# Altium PCB record1.PcbDoc (part 1 of 2)
Units mil, origin at the board's own origin, x right, y up, seen from the top; angles counter-clockwise.
Board outline 17007.87 x 11459.7 mil, 3 copper layers (Top Layer, GND, Bottom Layer), stack 19.217 mil thick; 488 components, 1 nets, 1152 pads, 320 vias.
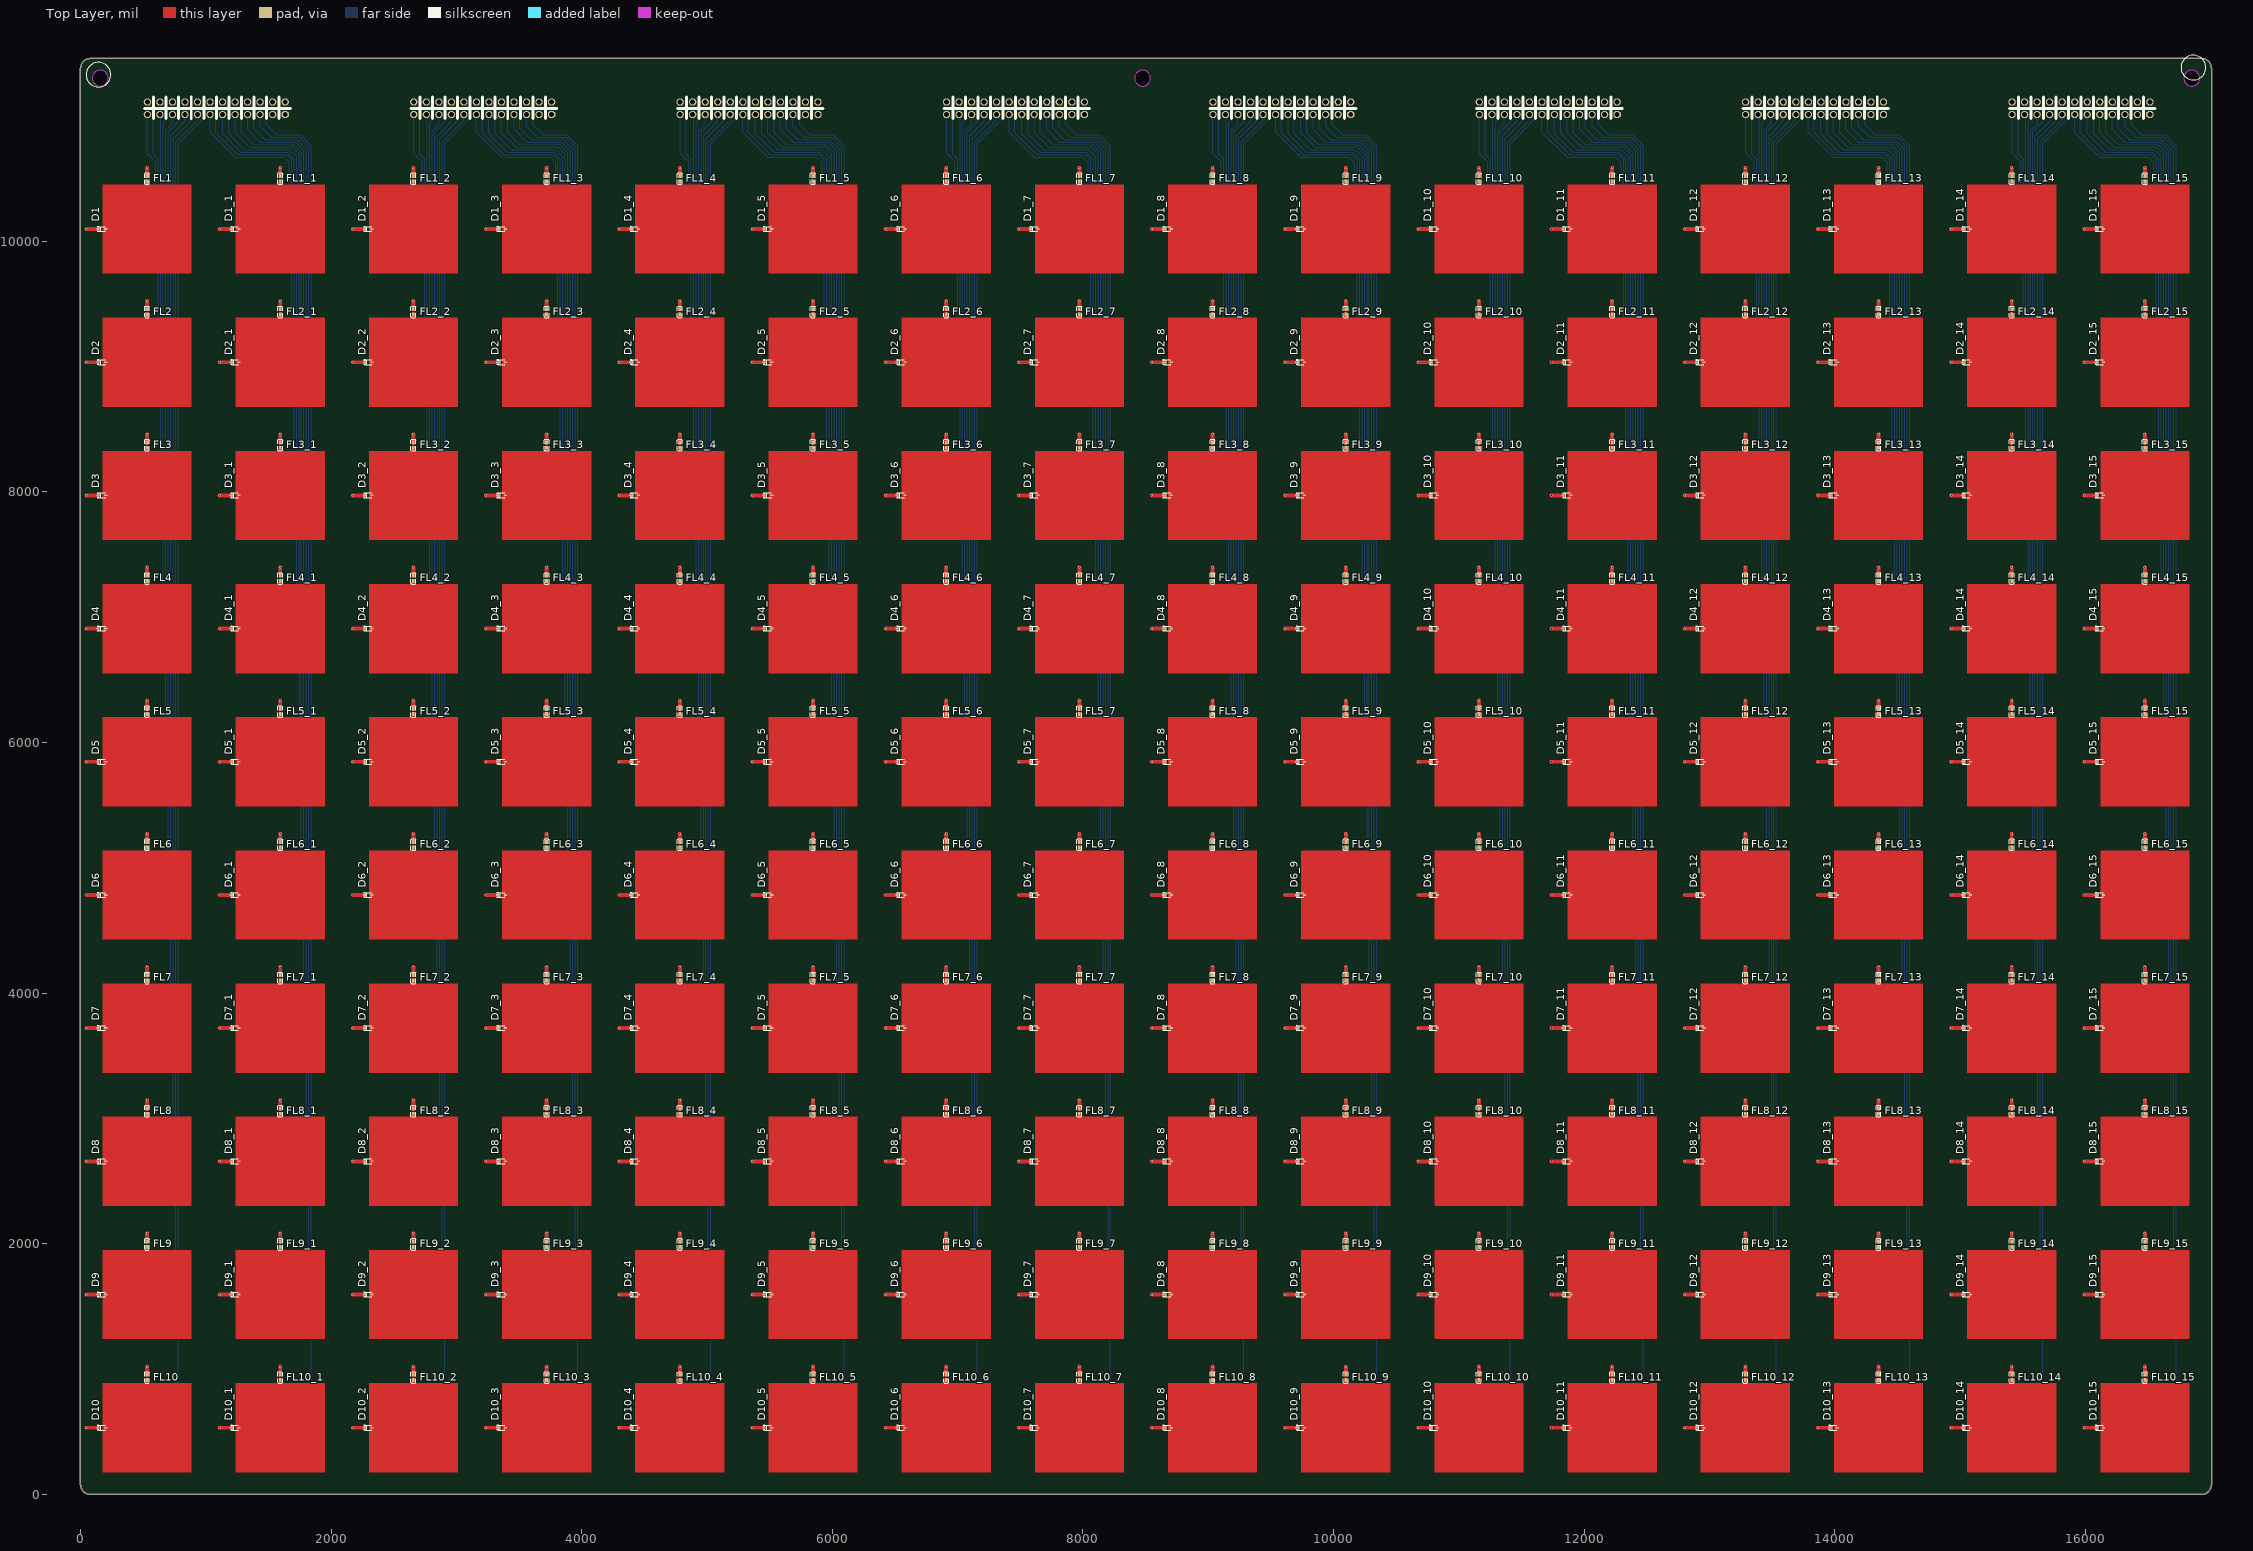
[diagram p0: Top Layer view]
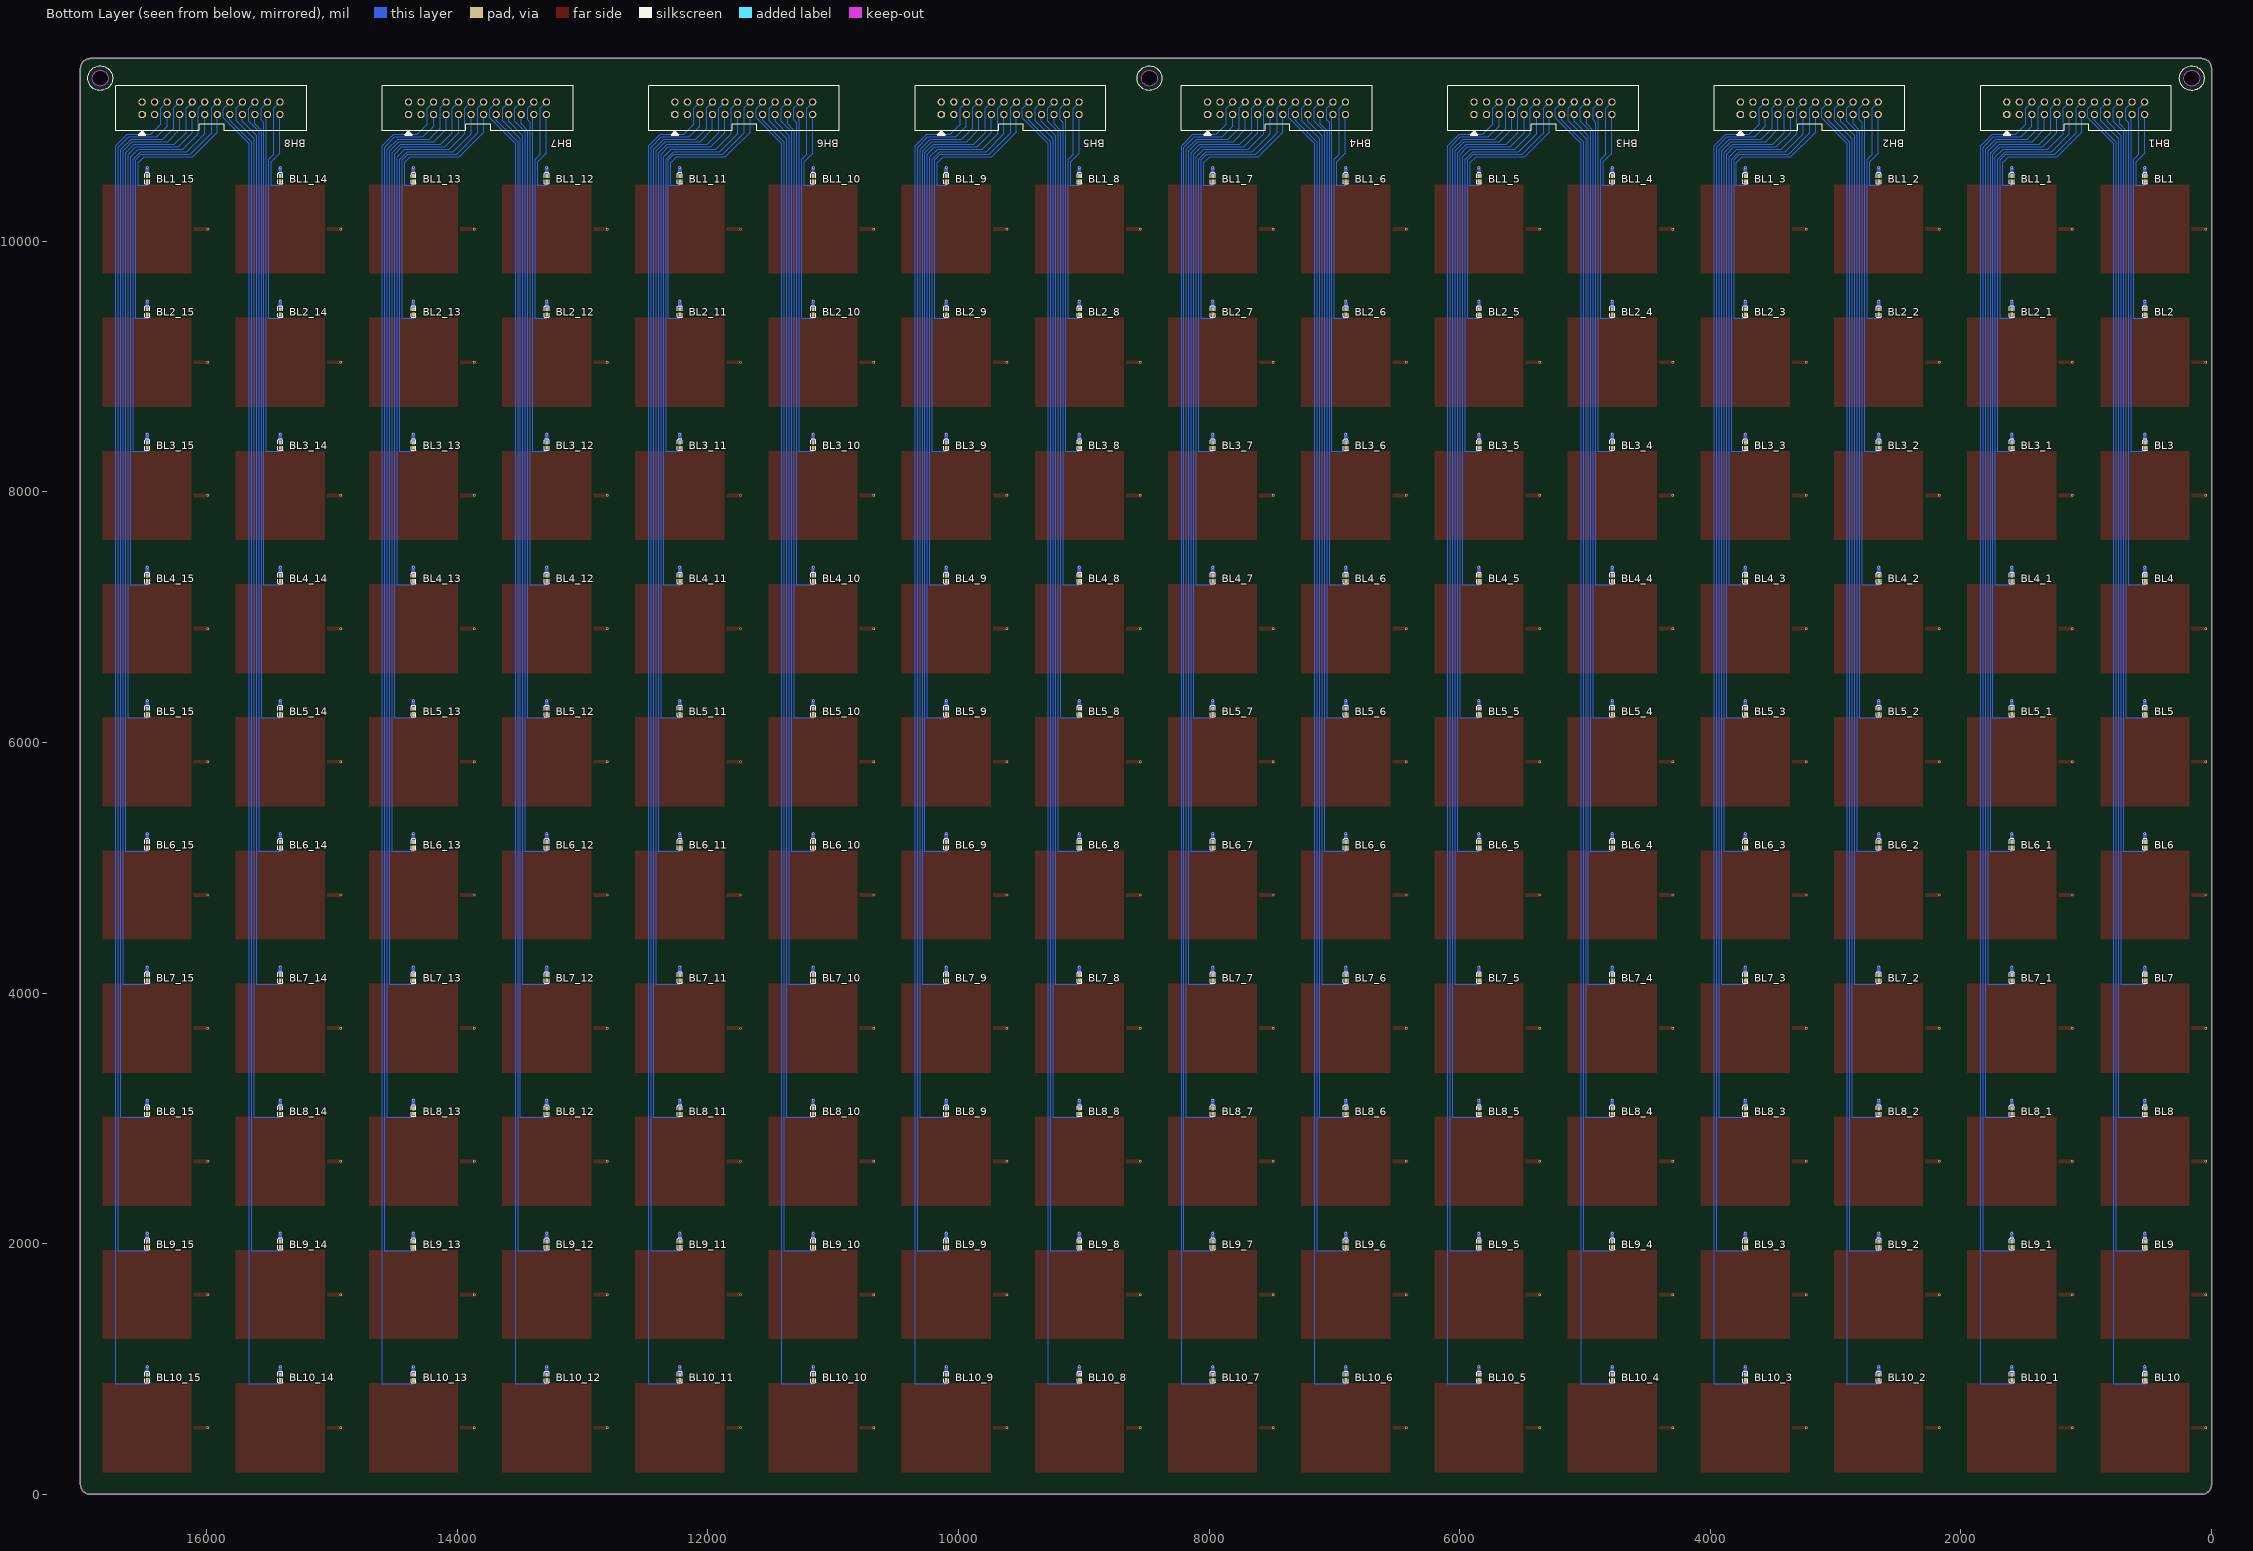
[diagram p1: Bottom Layer view, seen from below]
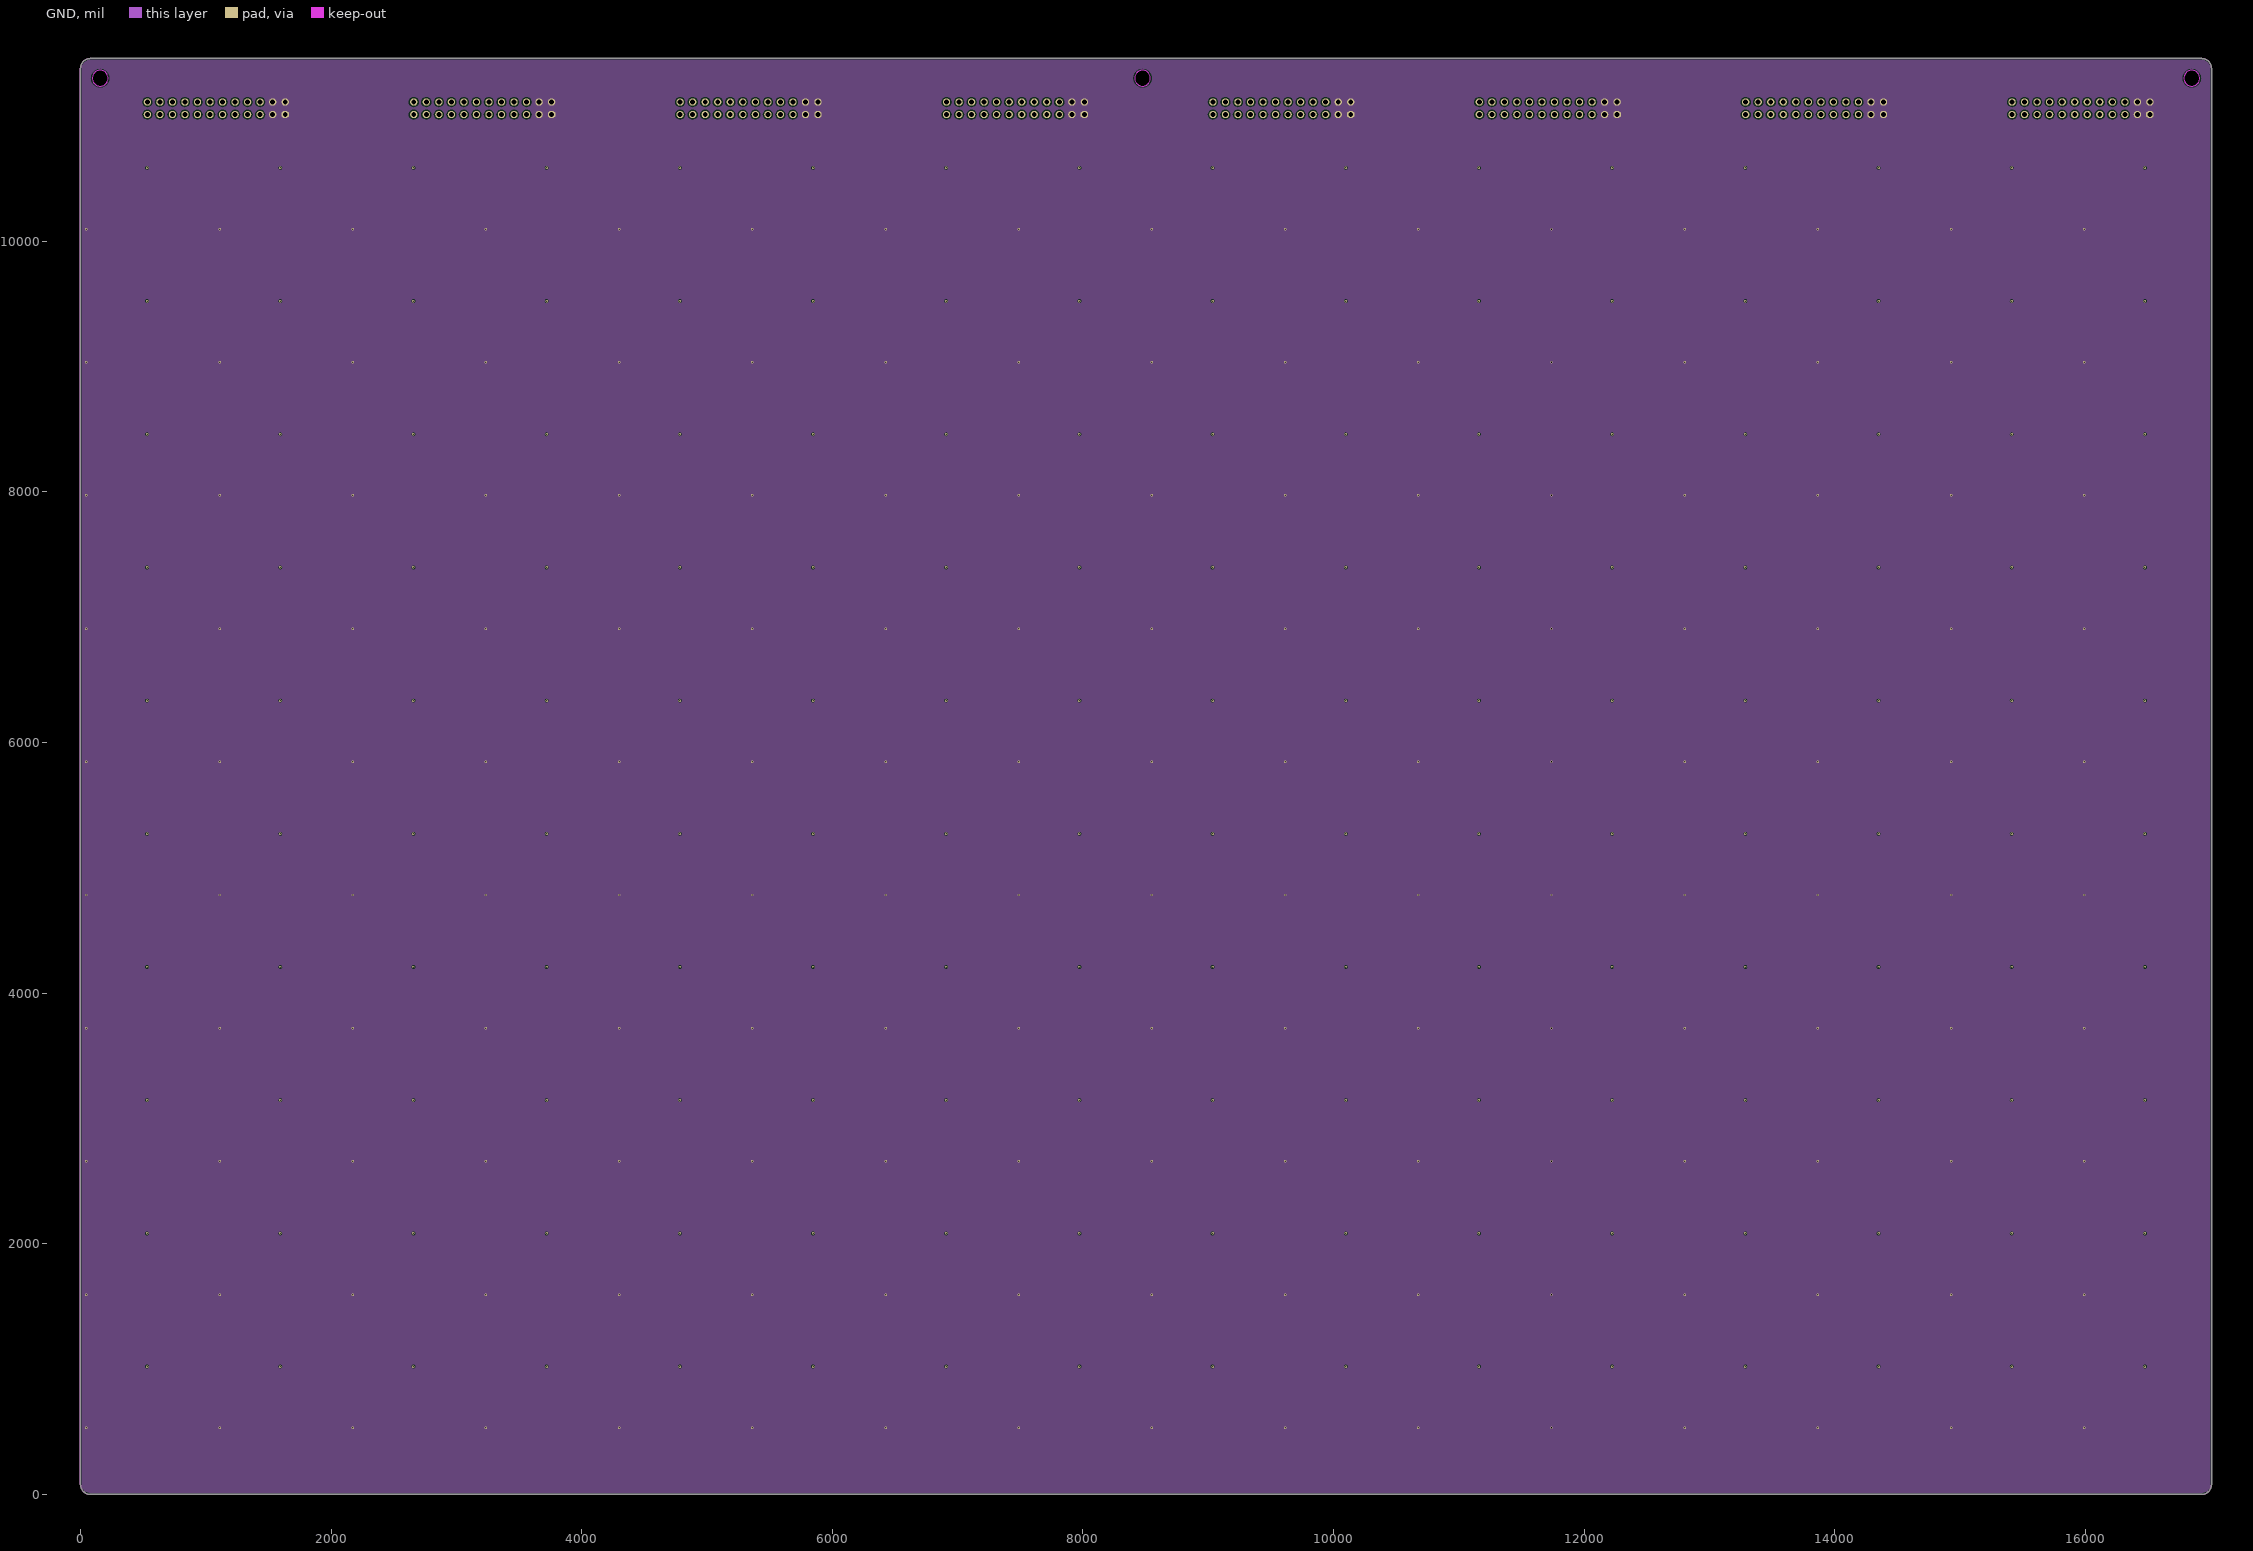
[diagram p2: GND]

## Layer stack, top to bottom
Top Solder: solder mask 0.4, Solder Resist, Dk 3.5
Top Layer: signal copper 1.4
Dielectric 1: core 10, FR-4, Dk 4.2
GND: signal copper 1.417
Dielectric 2: prepreg 5, Dk 4.2
Bottom Layer: signal copper 1.4
Bottom Solder: solder mask 0.4, Solder Resist, Dk 3.5

## Board outline
0,78.74 0,11380.96 cw(c78.74,11380.96) 78.74,11459.7 16929.13,11459.7 cw(c16929.13,11380.96) 17007.87,11380.96 17007.87,78.74 cw(c16929.13,78.74) 16929.13,0 78.74,0 cw(c78.74,78.74)
cut-out: 8413.76,11302.25 ccw(c8476.75,11302.25) 8476.75,11239.26 ccw(c8476.75,11302.25) 8539.75,11302.25 ccw(c8476.75,11302.25) 8476.75,11365.24 ccw(c8476.75,11302.25)
cut-out: 16850.3,11365.24 ccw(c16850.3,11302.24) 16787.31,11302.24 ccw(c16850.3,11302.24) 16850.3,11239.25 ccw(c16850.3,11302.24) 16913.3,11302.24 ccw(c16850.3,11302.24)
cut-out: 94.46,11302.13 ccw(c157.45,11302.13) 157.45,11239.14 ccw(c157.45,11302.13) 220.45,11302.13 ccw(c157.45,11302.13) 157.45,11365.12 ccw(c157.45,11302.13)

## Design rules (kind name [scope] priority, off if disabled: settings)
Clearance [All] p1: gap=10 except(3.94: Via-Poly)
PolygonConnect [All] p1: connectstyle=Direct reliefconductorwidth=10 reliefentries=4 polygonreliefangle="90 Angle" airgapwidth=10
RoutingVias [All] p1: holewidth=28 width=50 viastyle="Through Hole" minholewidth=28 minwidth=50 maxholewidth=28 maxwidth=50
SolderMaskExpansion [All] p1: expansion=4
Width [All] p1: maxlimit=10 minlimit=10 preferedwidth=10
30 further rules are at their usual default settings.

## Components (designator, comment, footprint, x,y, rotation, side; value= is the part's Value field where it differs from the comment)
BH1 "Comment" IDC2.54-24P 1634.1,11012.2 r180 bottom
BH2 "Comment" IDC2.54-24P 3760.08,11012.2 r180 bottom
BH3 "Comment" IDC2.54-24P 5886.07,11012.2 r180 bottom
BH4 "Comment" IDC2.54-24P 8012.05,11012.2 r180 bottom
BH5 "Comment" IDC2.54-24P 10138.04,11012.2 r180 bottom
BH6 "Comment" IDC2.54-24P 12264.02,11012.2 r180 bottom
BH7 "Comment" IDC2.54-24P 14390.01,11012.2 r180 bottom
BH8 "Comment" IDC2.54-24P 16515.99,11012.2 r180 bottom
BL1 "Comment" L0402 530.98,10500 r90 bottom
BL1_1 "Comment" L0402 1593.99,10500 r90 bottom
BL1_2 "Comment" L0402 2656.98,10500 r90 bottom
BL1_3 "Comment" L0402 3719.98,10500 r90 bottom
BL1_4 "Comment" L0402 4782.97,10500 r90 bottom
BL1_5 "Comment" L0402 5845.96,10500 r90 bottom
BL1_6 "Comment" L0402 6908.95,10500 r90 bottom
BL1_7 "Comment" L0402 7971.94,10500 r90 bottom
BL1_8 "Comment" L0402 9034.94,10500 r90 bottom
BL1_9 "Comment" L0402 10097.93,10500 r90 bottom
BL1_10 "Comment" L0402 11160.92,10500 r90 bottom
BL1_11 "Comment" L0402 12223.91,10500 r90 bottom
BL1_12 "Comment" L0402 13286.91,10500 r90 bottom
BL1_13 "Comment" L0402 14349.9,10500 r90 bottom
BL1_14 "Comment" L0402 15412.89,10500 r90 bottom
BL1_15 "Comment" L0402 16475.88,10500 r90 bottom
BL2 "Comment" L0402 531,9437.01 r90 bottom
BL2_1 "Comment" L0402 1593.99,9437.01 r90 bottom
BL2_2 "Comment" L0402 2656.98,9437.01 r90 bottom
BL2_3 "Comment" L0402 3719.98,9437.01 r90 bottom
BL2_4 "Comment" L0402 4782.97,9437.01 r90 bottom
BL2_5 "Comment" L0402 5845.96,9437.01 r90 bottom
BL2_6 "Comment" L0402 6908.95,9437.01 r90 bottom
BL2_7 "Comment" L0402 7971.94,9437.01 r90 bottom
BL2_8 "Comment" L0402 9034.94,9437.01 r90 bottom
BL2_9 "Comment" L0402 10097.93,9437.01 r90 bottom
BL2_10 "Comment" L0402 11160.92,9437.01 r90 bottom
BL2_11 "Comment" L0402 12223.91,9437.01 r90 bottom
BL2_12 "Comment" L0402 13286.91,9437.01 r90 bottom
BL2_13 "Comment" L0402 14349.9,9437.01 r90 bottom
BL2_14 "Comment" L0402 15412.89,9437.01 r90 bottom
BL2_15 "Comment" L0402 16475.88,9437.01 r90 bottom
BL3 "Comment" L0402 531,8374.02 r90 bottom
BL3_1 "Comment" L0402 1593.99,8374.02 r90 bottom
BL3_2 "Comment" L0402 2656.98,8374.02 r90 bottom
BL3_3 "Comment" L0402 3719.98,8374.02 r90 bottom
BL3_4 "Comment" L0402 4782.97,8374.02 r90 bottom
BL3_5 "Comment" L0402 5845.96,8374.02 r90 bottom
BL3_6 "Comment" L0402 6908.95,8374.02 r90 bottom
BL3_7 "Comment" L0402 7971.94,8374.02 r90 bottom
BL3_8 "Comment" L0402 9034.94,8374.02 r90 bottom
BL3_9 "Comment" L0402 10097.93,8374.02 r90 bottom
BL3_10 "Comment" L0402 11160.92,8374.02 r90 bottom
BL3_11 "Comment" L0402 12223.91,8374.02 r90 bottom
BL3_12 "Comment" L0402 13286.91,8374.02 r90 bottom
BL3_13 "Comment" L0402 14349.9,8374.02 r90 bottom
BL3_14 "Comment" L0402 15412.89,8374.02 r90 bottom
BL3_15 "Comment" L0402 16475.88,8374.02 r90 bottom
BL4 "Comment" L0402 531,7311.02 r90 bottom
BL4_1 "Comment" L0402 1593.99,7311.02 r90 bottom
BL4_2 "Comment" L0402 2656.98,7311.02 r90 bottom
BL4_3 "Comment" L0402 3719.98,7311.02 r90 bottom
BL4_4 "Comment" L0402 4782.97,7311.02 r90 bottom
BL4_5 "Comment" L0402 5845.96,7311.02 r90 bottom
BL4_6 "Comment" L0402 6908.95,7311.02 r90 bottom
BL4_7 "Comment" L0402 7971.94,7311.02 r90 bottom
BL4_8 "Comment" L0402 9034.94,7311.02 r90 bottom
BL4_9 "Comment" L0402 10097.93,7311.02 r90 bottom
BL4_10 "Comment" L0402 11160.92,7311.02 r90 bottom
BL4_11 "Comment" L0402 12223.91,7311.02 r90 bottom
BL4_12 "Comment" L0402 13286.91,7311.02 r90 bottom
BL4_13 "Comment" L0402 14349.9,7311.02 r90 bottom
BL4_14 "Comment" L0402 15412.89,7311.02 r90 bottom
BL4_15 "Comment" L0402 16475.88,7311.02 r90 bottom
BL5 "Comment" L0402 531,6248.03 r90 bottom
BL5_1 "Comment" L0402 1593.99,6248.03 r90 bottom
BL5_2 "Comment" L0402 2656.98,6248.03 r90 bottom
BL5_3 "Comment" L0402 3719.98,6248.03 r90 bottom
BL5_4 "Comment" L0402 4782.97,6248.03 r90 bottom
BL5_5 "Comment" L0402 5845.96,6248.03 r90 bottom
BL5_6 "Comment" L0402 6908.95,6248.03 r90 bottom
BL5_7 "Comment" L0402 7971.94,6248.03 r90 bottom
BL5_8 "Comment" L0402 9034.94,6248.03 r90 bottom
BL5_9 "Comment" L0402 10097.93,6248.03 r90 bottom
BL5_10 "Comment" L0402 11160.92,6248.03 r90 bottom
BL5_11 "Comment" L0402 12223.91,6248.03 r90 bottom
BL5_12 "Comment" L0402 13286.91,6248.03 r90 bottom
BL5_13 "Comment" L0402 14349.9,6248.03 r90 bottom
BL5_14 "Comment" L0402 15412.89,6248.03 r90 bottom
BL5_15 "Comment" L0402 16475.88,6248.03 r90 bottom
BL6 "Comment" L0402 531,5185.04 r90 bottom
BL6_1 "Comment" L0402 1593.99,5185.04 r90 bottom
BL6_2 "Comment" L0402 2656.98,5185.04 r90 bottom
BL6_3 "Comment" L0402 3719.98,5185.04 r90 bottom
BL6_4 "Comment" L0402 4782.97,5185.04 r90 bottom
BL6_5 "Comment" L0402 5845.96,5185.04 r90 bottom
BL6_6 "Comment" L0402 6908.95,5185.04 r90 bottom
BL6_7 "Comment" L0402 7971.94,5185.04 r90 bottom
BL6_8 "Comment" L0402 9034.94,5185.04 r90 bottom
BL6_9 "Comment" L0402 10097.93,5185.04 r90 bottom
BL6_10 "Comment" L0402 11160.92,5185.04 r90 bottom
BL6_11 "Comment" L0402 12223.91,5185.04 r90 bottom
BL6_12 "Comment" L0402 13286.91,5185.04 r90 bottom
BL6_13 "Comment" L0402 14349.9,5185.04 r90 bottom
BL6_14 "Comment" L0402 15412.89,5185.04 r90 bottom
BL6_15 "Comment" L0402 16475.88,5185.04 r90 bottom
BL7 "Comment" L0402 531,4122.05 r90 bottom
BL7_1 "Comment" L0402 1593.99,4122.05 r90 bottom
BL7_2 "Comment" L0402 2656.98,4122.05 r90 bottom
BL7_3 "Comment" L0402 3719.98,4122.05 r90 bottom